# KiCad board keyboard_v2.kicad_pcb (continued)
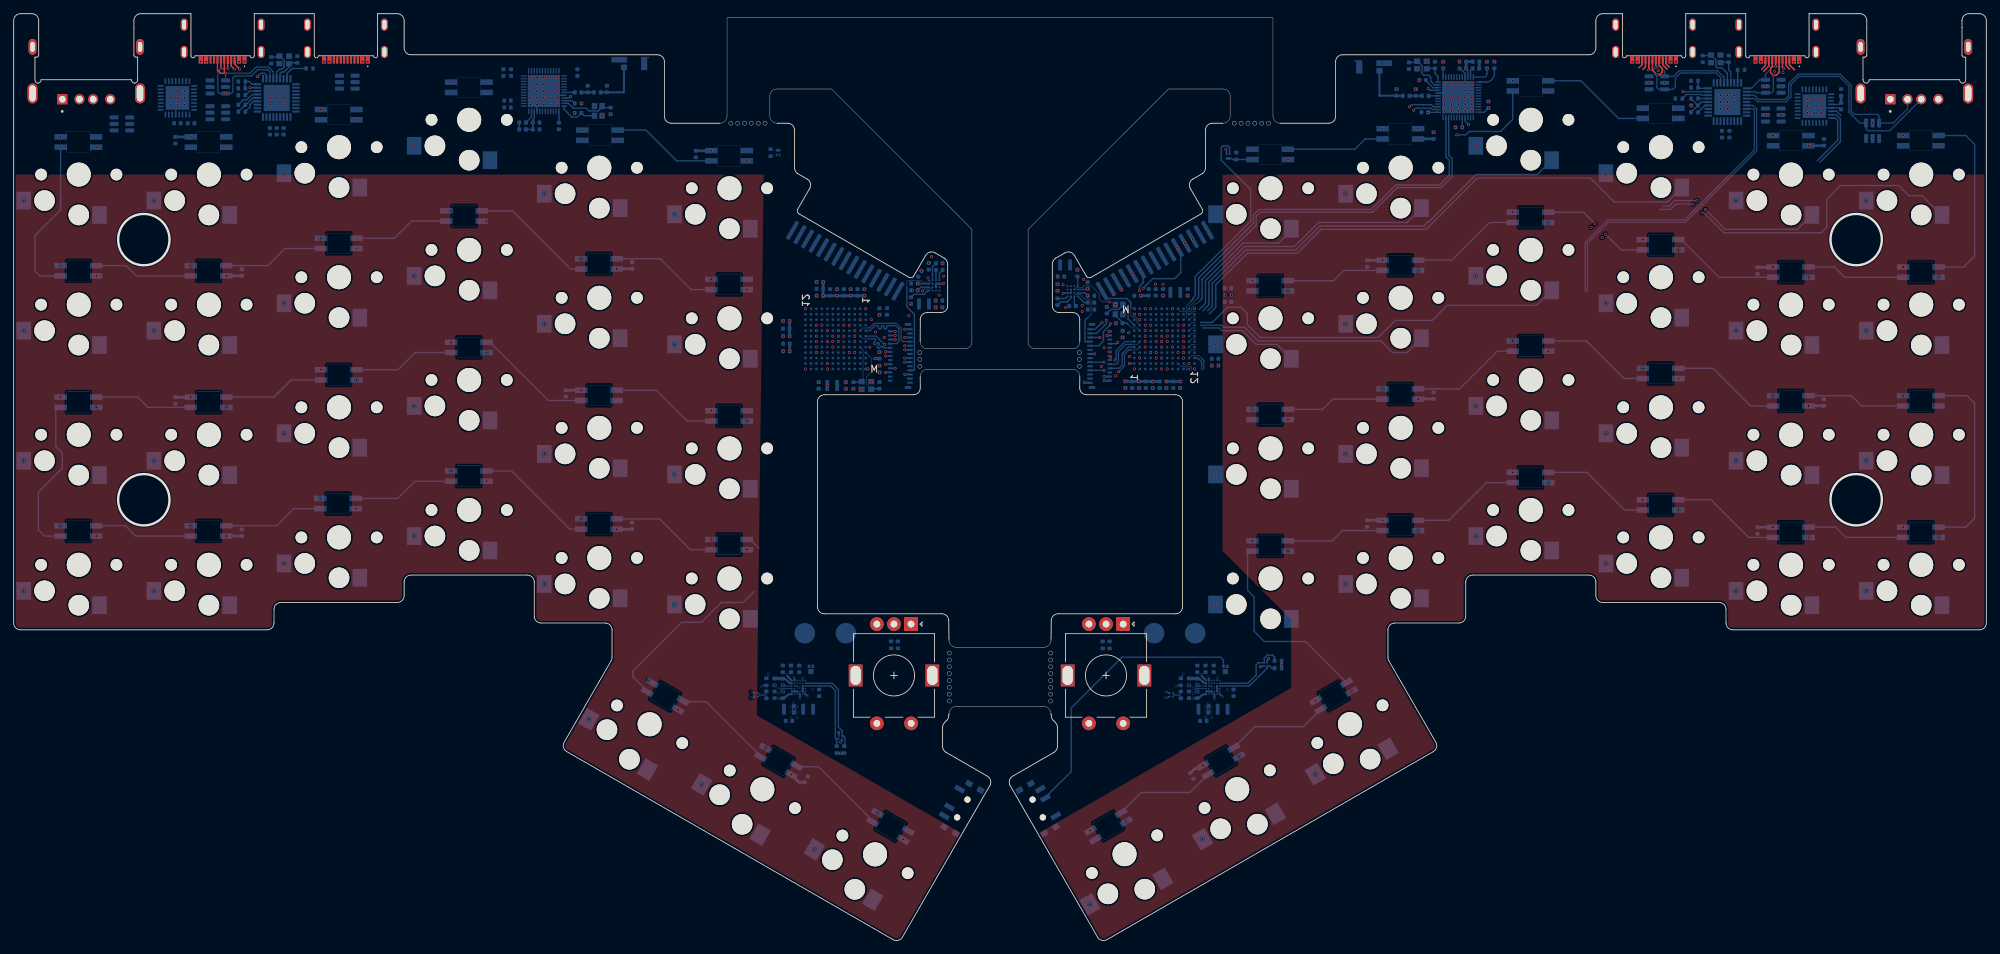
[diagram p0: board, top side]
## Routing (per net, layer and track width the routed paths; a pad name or vN(x,y) marks a point on that pad's centre or on a via; arc(x,y) is an arc through that point) (continued)
  Bottom w0.3: IC1401.E6 113.99,38.35
/Left/USB/CFG_SEL1: length 2
  Bottom w0.2: U1505.25 34.42,124.05 R1506.1
/Left/USB/RBIAS: length 3.9
  Bottom w0.2: R1505.1 40.65,127.35 39.9,126.6 U1505.35
/Left/USB/SCL: length 3.4
  Bottom w0.2: R1502.2 33.49,122.75 34,122.75 34.8,123.55 U1505.24
/Left/USB/SDA: length 2.6
  Bottom w0.2: R1501.2 34.5,121.73 34.5,122.05 35,122.55 U1505.22
/Left/USB/USB0_CC1: length 1.5
  Top w0.2: J1501.A5 31.75,127.7 v1(32.2,127.25)
/Left/USB/USB0_DN: length 18.6
  Top w0.18: v1(30.25,127.3) J1501.A7 ; J1501.B7 31.25,127.4 v1(31.3,127.35)
  Bottom w0.18: U1505.30 37.4,126.85 37.1,127.15 35.6,127.15 34.7,126.25 32.3,126.25 32,125.95 32,123.95 31.75,123.7 v1(30.94,123.7) 30.05,123.7 29.8,123.95 29.8,126.85 v1(30.25,127.3) 30.3,127.35 v1(31.3,127.35)
/Left/USB/USB0_DP: length 14.6
  Top w0.18: J1501.A6 30.75,126.84 v1(30.94,126.65) 30.21,126.65 29.75,127.11 J1501.B6
  Bottom w0.18: U1505.31 37.9,126.85 37.2,127.55 35.4,127.55 34.5,126.65 v1(30.94,126.65) U1501.4
/Left/USB/USB0_RX: length 1.7
  Top w0.2: v1(33,127.25) 32.25,128 J1501.B8
/Left/USB/USB_RST: length 1.1
  Bottom w0.2: U1505.26 v1(34.5,124.55)
/Left/USB/XTAL1: length 4.2
  Bottom w0.2: C1505.1 40.32,128.17 Y1501.3 40.2,127.55 39.5,126.85 39.15,126.85 38.9,126.6 U1505.33
/Left/USB/XTAL2: length 5.6
  Bottom w0.2: C1504.1 38.68,129.03 Y1501.1 38.85,129.15 39.5,128.5 39.5,127.55 39.2,127.25 38.8,127.25 38.4,126.85 U1505.32
/Right/Bluetooth/ANT: length 7.1
  Bottom w0.3: L905.2 201.92,123.35 C906.1 199.4,123.37 ANT301.1
/Right/Bluetooth/DCC1: length 1.4
  Bottom w0.2: U901.47 212.7,127.05 L901.1
/Right/Bluetooth/DCC2: length 1
  Bottom w0.2: 213.97,128.34 L906.1
  Bottom w0.4: L901.2 213.97,128.34
/Right/Bluetooth/DEC1: length 3.8
  Bottom w0.2: U901.1 214.91,125.35 arc(215.81,125.72) 216.19,126.62 C911.1
/Right/Bluetooth/DEC3: length 2.3
  Bottom w0.2: C913.1 206.18,125.57 207.2,124.55 U901.34
/Right/Bluetooth/DEC4_6: length 13.6
  In1.Cu w0.2: v1(212.05,127.35) 212.4,127 212.4,124.85 212.2,124.65 206.7,124.65 v1(206.5,124.45)
  Bottom w0.2: v1(206.5,124.45) 206.8,124.15 U901.33 ; U901.46 212.3,127.1 v1(212.05,127.35)
  Bottom w0.4: L906.2 C914.1 v1(212.05,127.35)
/Right/Bluetooth/RF1: length 1.4
  Bottom w0.2: U901.31 L902.1
/Right/Bluetooth/RF2: length 1.8
  Bottom w0.3: L905.1 204.68,123.35 C905.1 204.72,123.35 L902.2
/Right/Bluetooth/RST: length 73.4
  In1.Cu w0.2: v1(164.9,95.25) 166,94.15 v1(166,92.25) ; v1(169.9,101.19) 172.44,101.19 175.6,104.35 175.6,115.85 176.45,116.7 192.65,116.7 196.2,120.25 211.3,120.25 v1(212.4,119.15)
  Bottom w0.2: 169.9,100.85 170.5,100.25 ; 169.9,100.85 170.4,100.35 170.4,97.55 169.5,96.65 166.3,96.65 v1(164.9,95.25) ; 169.9,100.85 v1(169.9,101.19) ; v1(212.4,119.15) 211.9,119.65 U901.16
/Right/Bluetooth/SWCLK: length 50.8
  In1.Cu w0.2: v1(172.1,102.46) 174.6,104.96 174.6,116.35 176,117.75 192.3,117.75 195.8,121.25 203.3,121.25 v1(203.8,121.75)
  Bottom w0.2: U901.27 207.3,121.75 207,122.05 204.1,122.05 v1(203.8,121.75)
/Right/Bluetooth/SWDIO: length 51.9
  In1.Cu w0.2: v1(204.4,121.25) 203.9,120.75 196,120.75 192.5,117.25 176.2,117.25 175.1,116.15 175.1,104.65 172.27,101.82 v1(171,101.82)
  Bottom w0.2: U901.26 207.1,121.35 206.9,121.55 204.7,121.55 v1(204.4,121.25)
/Right/Bluetooth/UART_RX: length 57.3
  Bottom w0.1: 172.7,93.65 171.6,92.55 U801.M11
  Bottom w0.2: U901.23 209.1,114.45 209.6,113.95 209.6,111.75 208.2,110.35 201.8,110.35 198.2,106.75 181.8,106.75 181,105.95 181,104.75 173,96.75 173,93.95 172.7,93.65
/Right/Bluetooth/UART_TX: length 59.7
  Bottom w0.1: U801.K10 171.2,91.05 171.2,91.65 171.4,91.85 171.8,91.85 172,92.05 172,92.45 172.6,93.05 172.8,93.05 173.1,93.35
  Bottom w0.2: U901.22 209.5,114.7 210,114.2 210,111.55 208.4,109.95 202,109.95 198.4,106.35 182,106.35 181.4,105.75 181.4,104.45 173.5,96.55 173.5,93.75 173.1,93.35
/Right/Bluetooth/XC1: length 6.7
  Bottom w0.2: C903.2 204.73,128.23 Y902.3 204.95,128.4 205.6,127.75 205.6,126.65 205.9,126.35 206.6,126.35 206.9,126.05 206.9,125.48 207.43,124.95 U901.35
/Right/Bluetooth/XC2: length 3.4
  Bottom w0.2: Y902.1 206.37,127.37 C904.2 207.5,126.65 207.95,126.2 U901.36
/Right/Display/C1N: length 2.6
  Bottom w0.2: C403.2 152.86,93.25 153.8,93.25 154.35,93.8 U401.B4
/Right/Display/C1P: length 1.6
  Bottom w0.2: U401.A4 153.54,93.75 C403.1
/Right/Display/DSI_CKN: length 8.2
  In1.Cu w0.18: v1(159.2,84.45) 160.5,84.45 v1(160.8,84.75)
  Bottom w0.18: J401.11 v1(159.2,84.45) ; U801.F1 162.27,87.45 160.94,86.12 160.94,84.89
/Right/Display/DSI_CKP: length 6.7
  Bottom w0.1: U801.F2 164,87.05 163.2,87.05
  Bottom w0.18: 163.2,87.05 162.33,87.05 161.29,86.01 161.29,84.44 161,84.15 J401.10
/Right/Display/DSI_D0N: length 5.9
  Bottom w0.18: J401.8 161.37,83.55 161.84,84.02 161.84,85.72 162.77,86.65 U801.E1
/Right/Display/DSI_D0P: length 9.8
  In1.Cu w0.18: v1(161.32,83.04) 161.1,83.25 v1(159.2,83.25)
  Bottom w0.1: 163.2,86.25 164,86.25 U801.E2
  Bottom w0.18: 163.2,86.25 162.83,86.25 162.16,85.58 162.16,83.88 v1(161.32,83.04) ; J401.7 v1(159.2,83.25)
/Right/Display/DSI_TE: length 7.8
  In1.Cu w0.1: v1(161.2,87.35) 163.86,87.35 166.16,85.05 v1(166.8,85.05)
  Bottom w0.2: v1(161.2,87.35) 161,87.15 J401.20
/Right/Display/ELVDD: length 2.5
  Bottom w0.2: U401.D3 156.41,94.56 156.8,94.17 v1(156.8,94.15) C407.1
  Bottom w0.3: J401.2 v1(159.2,81.75)
/Right/Display/ELVSS: length 2.7
  Bottom w0.2: C409.1 156.3,93.15 155.39,94.06 U401.D4
  Bottom w0.3: J401.1 v1(156.3,81.45)
  vias: v1(156,92.75) v1(156,91.85)
/Right/Display/IM0: length 4.3
  In1.Cu w0.2: v1(160.03,85.95) 160.62,85.35 161.8,85.35 v1(162.9,84.25)
  Bottom w0.2: U801.B1 v1(162.9,84.25)
/Right/Display/INT_TP: length 9
  In1.Cu w0.1: v1(164.4,91.45) 163.8,90.85 161.7,90.85 161.4,91.15 160.1,91.15 v1(159.5,90.55)
  Bottom w0.2: v1(159.5,90.55) 159.5,90.05 158.1,88.65 J401.25
/Right/Display/RST_DISP: length 9.9
  In1.Cu w0.1: v1(164.4,90.65) 164.2,90.45 161.5,90.45 161.3,90.65 160.7,90.65 v1(160.1,90.05)
  Bottom w0.2: J401.19 158.4,86.85 159.1,87.55 159.1,88.9 160.1,89.9 v1(160.1,90.05)
/Right/Display/RST_TP: length 12.3
  In1.Cu w0.1: v1(159.6,88.35) 160,87.95 160,86.85 160.6,86.25 163.84,86.25 167.14,82.95 167.9,82.95 v1(168.4,83.45)
  Bottom w0.2: v1(159.6,88.35) J401.24
/Right/Display/SCL_TP: length 10.8
  In1.Cu w0.1: v1(167.6,83.45) 167,83.45 163.9,86.55 160.8,86.55 160.4,86.95 160.4,88.58 v1(160.03,88.95)
/Right/Display/SDA_TP: length 14.6
  In1.Cu w0.1: v1(167.6,85.05) 167.1,84.55 166.3,84.55 164,86.85 161,86.85 160.75,87.1 160.75,89.1 160.4,89.45 159.7,89.45 v1(158.9,90.25)
  Bottom w0.2: v1(158.9,90.25) 157.9,89.25 J401.27
/Right/Display/SWIRE: length 10
  Bottom w0.1: 156.8,90.95 157.3,91.45 157.3,93.44 157.08,93.65 156.4,93.65 155.74,94.31 155.1,94.31 U401.C3
  Bottom w0.2: J401.21 156.4,87.45 156.4,90.55 156.8,90.95
/Right/Display/VON: length 1.5
  Bottom w0.2: C405.1 154.85,92.88 U401.C4
/Right/Display/VOUT: length 1.4
  Bottom w0.2: C404.1 155.35,96.92 U401.D1
/Right/Keys/KEY_A7: length 20.4
  Bottom w0.2: 173.1,92.15 174,93.05 174,96.35 179.5,101.85 184.7,101.85 186.54,103.69 SW703.2
/Right/Keys/KEY_A8: length 40.1
  Bottom w0.2: 173.6,91.95 174.5,92.85 174.5,96.15 179.7,101.35 187,101.35 190.5,104.85 203.44,104.85 SW708.2
/Right/Keys/KEY_A9: length 61.3
  Bottom w0.2: 174.3,91.95 175,92.65 175,95.95 179.9,100.85 187.2,100.85 190.7,104.35 205.9,104.35 206.5,104.95 206.6,104.95 213.5,111.85 222.44,111.85 SW713.2
/Right/Keys/KEY_A10: length 81.5
  Bottom w0.2: 174.55,91.5 175.5,92.45 175.5,95.75 180.1,100.35 187.4,100.35 190.9,103.85 206.2,103.85 213.7,111.35 230.2,111.35 233.7,107.85 241.44,107.85 SW717.2
/Right/Keys/KEY_A11: length 24.7
  In1.Cu w0.2: v1(247,106.75) v1(245.7,108.05)
  Bottom w0.2: v1(245.7,108.05) 242.5,108.05 241.7,107.25 240.8,107.25 ; v1(247,106.75) 249.9,103.85 260.44,103.85 SW721.2
/Right/Keys/KEY_A12: length 50.3
  In1.Cu w0.2: v1(246.5,106.25) v1(245.2,107.55)
  Bottom w0.2: 240.3,106.75 241.9,106.75 242.7,107.55 v1(245.2,107.55) ; v1(246.5,106.25) 246.8,106.25 249.7,103.35 263.9,103.35 264.7,104.15 264.7,108.25 266.7,110.25 275.2,110.25 276.7,108.75 278.63,108.75 281.43,105.95 SW725.2
/Right/Keys/KEY_B7: length 14.8
  Bottom w0.2: SW704.2 184.44,87.05 181.4,87.05 179.4,89.05 176.4,89.05 176,89.45 173.6,89.45
/Right/Keys/KEY_B8: length 34.8
  Bottom w0.2: 173.3,89.85 176.3,89.85 176.6,89.55 179.7,89.55 181.7,87.55 199.6,87.55 201.3,85.85 203.44,85.85 SW709.2
/Right/Keys/KEY_B9: length 57.8
  Bottom w0.2: SW714.2 222.34,92.75 209.3,92.75 207.1,90.55 201.7,90.55 199.2,88.05 182,88.05 180.1,89.95 180.1,91.55 179.2,92.45 177.2,92.45 175,90.25 173.3,90.25
/Right/Keys/LED1: length 3.7
  Bottom w0.2: Q701.3 177.85,114.2 178.01,114.04 R701.2 178.51,114.05 D701.4 180.8,114
/Right/Keys/LED2: length 14.4
  Bottom w0.2: D704.4 197.3,117.05 195.8,115.55 D701.2
/Right/Keys/LED3: length 19.3
  In1.Cu w0.2: v1(210.7,117.65) 209.5,117.65 208.6,118.55 v1(205.05,118.55)
  Bottom w0.2: v1(210.7,117.65) 212,117.65 212.5,118.15 217.1,118.15 218.85,119.9 D707.4
/Right/Keys/LED4: length 16.1
  Bottom w0.2: D707.2 228.8,125.55 234.3,120.05 D710.4
/Right/Keys/LED7: length 29.4
  Bottom w0.2: 280.35,117.55 285,117.55 286.3,116.25 286.3,99.95 284.7,98.35 280.35,98.35
/Right/Keys/LED8: length 14.4
  Bottom w0.2: D719.2 267.3,96.85 265.8,98.35 D722.4
/Right/Keys/LED9: length 16.1
  Bottom w0.2: D725.4 243.47,102.35 248.97,96.85 D722.2
/Right/Keys/LED10: length 16.1
  In1.Cu w0.2: v1(230.9,104.65) v1(232.4,103.15)
  Bottom w0.2: D702.4 229.2,106.35 v1(230.9,104.65) ; D725.2 234.7,100.85 v1(232.4,103.15)
/Right/Keys/LED11: length 16.1
  Bottom w0.2: D702.2 215.5,104.85 210,99.35 D705.4
/Right/Keys/LED12: length 14.4
  Bottom w0.2: D705.2 194.2,97.85 192.7,96.35 D708.4
/Right/Keys/LED14: length 14.4
  Bottom w0.2: D714.4 192.6,79.05 191.1,77.55 D711.2
/Right/Keys/LED15: length 16.1
  Bottom w0.2: D717.4 216.6,86.05 211.1,80.55 D714.2
/Right/Keys/LED16: length 16.1
  Bottom w0.2: D720.4 235.1,82.05 229.6,87.55 D717.2
/Right/Keys/LED17: length 16.1
  Bottom w0.2: D723.4 253.6,78.05 248.1,83.55 D720.2
/Right/Keys/LED18: length 14.4
  Bottom w0.2: D723.2 268.3,79.55 269.8,78.05 D726.4
/Right/Keys/LED19: length 28.3
  Bottom w0.2: D703.4 285,60.35 286.3,61.65 286.3,78.45 285.2,79.55 D726.2
/Right/Keys/LED20: length 14.4
  Bottom w0.2: D703.2 267.5,58.85 266,60.35 D706.4
/Right/Keys/LED21: length 16.1
  Bottom w0.2: D706.2 253.3,58.85 247.8,64.35 D709.4
/Right/Keys/LED22: length 16.1
  Bottom w0.2: D712.4 229.7,68.35 235.2,62.85 D709.2
/Right/Keys/LED23: length 16.1
  Bottom w0.2: D712.2 215,66.85 209.5,61.35 D715.4
/Right/Keys/LED24: length 14.4
  Bottom w0.2: D715.2 194,59.85 192.5,58.35 D718.4
/Right/Keys/LED25: length 28.7
  Bottom w0.2: 180.15,56.85 180.15,51.1 181.1,50.15 181.1,45.15 182.6,43.65 188.59,43.65 D721.4
/Right/Keys/LED26: length 15
  Bottom w0.2: D721.2 188.29,31.2 181.19,31.2 D724.4
/Right/Keys/LED27: length 15
  Bottom w0.2: D727.4 164.63,21.6 171.73,21.6 D724.2
/Right/Keys/NEOPIXEL: length 33.2
  Bottom w0.1: U801.M9 170.4,91.85 171,91.85 171.2,92.05 171.2,92.65 171.8,93.25
  Bottom w0.2: 177.52,114.9 177.52,115.83 177.3,116.05 176.55,116.05 176.3,115.8 176.3,113.95 180.6,109.65 180.6,105.05 172.5,96.95 172.5,94.15 172.2,93.85 172.2,93.65 171.8,93.25
/Right/Main MCU/OSC_IN: length 4.7
  Bottom w0.1: 162.8,89.85 163.2,89.45 164,89.45 U801.H2
  Bottom w0.2: Y802.3 160.85,91.3 161.88,90.27 C823.2 162.5,90.15 162.8,89.85
/Right/Main MCU/OSC_OUT: length 6.5
  Bottom w0.2: U801.J1 162.7,90.75 162.7,92.05 161.95,92.8 ; C824.2 160.18,92.15 161.3,92.15 161.95,92.8 ; 161.95,92.8 Y802.1
/Right/Main MCU/PWR_ENCHG: length 1.9
  Bottom w0.12: IC501.F3 174.05,36.8 v1(172.2,36.8)
/Right/Main MCU/PWR_MR: length 0.7
  Bottom w0.15: v1(175.1,36.95) 174.98,37.08 arc(174.89,37.13) 174.79,37.15 IC501.E4
  vias: v1(171.6,37.24)
/Right/Main MCU/RST: length 9.4
  Bottom w0.1: U801.J2 164,90.25 164,90.85 163.8,91.05 163.3,91.05 163.1,91.25 163.1,92.35
  Bottom w0.2: 159.59,93.75 162.5,93.75 163.1,93.15 163.1,92.35 ; 159.59,93.75 159.49,93.65 ; 159.59,93.75 158.9,94.44 158.9,94.84
/Right/Main MCU/SCL: length 9.5
  Bottom w0.2: IC501.A4 180.4,37.15 182.98,39.73 U802.A2 183.4,40.05 183.7,39.75 R802.2
/Right/Main MCU/SDA: length 11.6
  Bottom w0.2: R801.2 184.09,41.36 183.8,41.65 183.02,41.65 182.58,41.21 U802.B1 181.7,40.55 181.4,40.25 181.4,38.75 180.2,37.55 IC501.A5
/Right/Main MCU/SWCLK: length 20.4
  In1.Cu w0.2: v1(161.7,95.05) 162.45,95.05 163.55,96.15 165.4,96.15 166.5,95.05 168.4,95.05 172.4,91.05 172.4,85.05 v1(171.6,84.25)
/Right/Main MCU/SWDIO: length 20.2
  In1.Cu w0.2: v1(170.8,85.05) 171.9,86.15 171.9,90.95 168.18,94.67 166.28,94.67 165.2,95.75 163.7,95.75 162.3,94.35 v1(160.6,94.35)
/Right/Main MCU/USB_RST: length 8.5
  In1.Cu w0.2: v1(165.2,92.25) 165.2,94.35 164.9,94.65 164.6,94.65 v1(164.35,94.9)
  Bottom w0.2: U604.6 266.15,121.1 266.8,120.45 ; v1(164.35,94.9) 164.35,95.5 164.9,96.05 164.9,97.25 164.4,97.75 J301.10
/Right/Main MCU/USB_UART_RX: length 9.2
  Bottom w0.2: U604.7 266.05,120.6 266.7,119.95 266.7,116.65 263.7,113.65
/Right/Main MCU/USB_UART_TX: length 8.3
  Bottom w0.2: U604.8 265.95,120.1 266.3,119.75 266.3,116.85 263.3,113.85
/Right/Main MCU/VREF+: length 3.6
  In1.Cu w0.2: v1(161.9,89.03) 162.22,89.35 164.9,89.35 v1(165.2,89.05)
/Right/Power/BAT_SW: length 41.1
  Bottom w0.2: Q501.1 176.62,40.93 176.2,41.35 161.8,41.35 154.4,33.95 154.4,24.65 150.64,20.89 SW502.2
/Right/Power/ISYS: length 0.6
  Bottom w0.2: v1(168.15,36.25) 168.43,36.25 arc(168.54,36.23) 168.64,36.16 168.7,36.11
/Right/Power/THR: length 1.2
  Bottom w0.15: R502.1 170.48,38.34 arc(170.66,38.61) v1(170.72,38.93) ; IC501.B6 v1(175.7,38.35)
/Right/Power/VSYS_MON: length 2.2
  Bottom w0.09: 169.2,35.6 169.33,35.72 arc(169.35,35.74) 169.38,35.75 170.3,35.75 arc(170.37,35.72) 170.4,35.65 R503.1
  Bottom w0.15: 174.5,38.35 v1(174.4,38.45)
  Bottom w0.3: IC501.E6 174.5,38.35
/Right/USB/CFG_SEL1: length 4.1
  Bottom w0.2: U605.25 246.5,123.45 246.4,123.55 244.22,123.55 R606.1
/Right/USB/RBIAS: length 1.9
  Bottom w0.2: U605.35 251.7,127.14 R605.1
/Right/USB/SCL: length 1.5
  Bottom w0.2: U605.24 R602.2
/Right/USB/SDA: length 1.9
  Bottom w0.2: R601.2 245.91,120.96 246.9,121.95 U605.22
/Right/USB/USB0_CC1: length 1.6
  Top w0.2: J601.A5 240.75,127.9 241.4,127.25
/Right/USB/USB0_CC2: length 1.3
  Top w0.2: 237.3,127.45 237.75,127.9 J601.B5
/Right/USB/USB0_DN: length 19.4
  Top w0.2: J601.A7 239.25,127.1 v1(239.9,126.45) 240.3,126.45 240.7,126.85 240.7,127.35 240.25,127.8 J601.B7
  Bottom w0.18: U605.30 249.2,126.05 248.56,126.69 243.33,126.69 242.6,125.95 242.6,124.65 242.25,124.3 U601.6 240.15,124.3 239.9,124.55 v1(239.9,126.45)
/Right/USB/USB0_DP: length 16.2
  Top w0.2: v1(238.7,127.15) 238.75,127.2 J601.B6 ; v1(239.75,127.55) J601.A6
  Bottom w0.18: U605.31 249.7,126.07 248.75,127.02 243.17,127.02 242.35,126.2 U601.4
  Bottom w0.2: v1(238.7,127.15) 239.35,127.15 v1(239.75,127.55) 240.4,127.55 241.04,126.91 U601.4
/Right/USB/USB0_RX: length 1.2
  Top w0.2: J601.B8 241.25,128 241.7,127.55
/Right/USB/USB0_TX: length 1.6
  Top w0.2: J601.A8 238.25,127.6 237.85,127.2
/Right/USB/USB1_CC1: length 1.6
  Top w0.2: J602.A5 258.75,127.8 259.3,127.25
/Right/USB/USB1_CC2: length 1.6
  Top w0.2: J602.B5 255.75,127.8 255.2,127.25
/Right/USB/USB1_DN: length 9.6
  Top w0.18: J602.B7 258.25,127.5 v1(258.4,127.35) ; v1(257.25,127.65) J602.A7
  Bottom w0.18: U605.1 253.7,124.45 254.95,125.7 U602.6 255.76,126.51 256.9,127.65 v1(257.25,127.65) 258.1,127.65 v1(258.4,127.35)
/Right/USB/USB1_DP: length 11.7
  Top w0.18: J602.B6 256.75,127.65 256.5,127.4 256.5,126.75 v1(256.9,126.35) 257.35,126.35 257.75,126.76 J602.A6
  Bottom w0.18: v1(256.9,126.35) 256.9,124.05 256.65,123.8 U602.4 254.45,123.8 254.3,123.95 U605.2
/Right/USB/USB1_RX: length 1.8
  Top w0.2: 260,127.15 259.25,127.9 J602.B8
/Right/USB/USB1_TX: length 2
  Top w0.2: J602.A8 256.25,127.7 255.5,126.95
/Right/USB/USB2_DN: length 34.4
  Bottom w0.18: J603.2 276.5,121.45 274.44,119.39 U603.3 272.35,120.4 272.1,120.65 268.73,120.65 268.26,121.12 268.26,124.92 266.67,126.52 260.53,126.52 259.13,125.12 259.13,123.32 258.63,122.82 254.77,122.82 254.13,123.45 U605.3
/Right/USB/USB2_DP: length 36.2
  Bottom w0.18: U605.4 254.17,122.95 254.63,122.49 258.77,122.49 259.46,123.18 259.46,124.98 260.67,126.19 266.53,126.19 267.94,124.78 267.94,120.98 269.53,119.39 U603.1 270.45,118.5 270.7,118.25 273.9,118.25 J603.3
/Right/USB/USB3_DN: length 47.7
  Bottom w0.18: U605.6 253.93,121.95 254.46,121.42 254.46,115.28 244.07,104.89 232.87,104.89 229.76,101.78 229.76,94.68 ; U801.C12 172.87,85.05 173.44,84.48 173.44,83.28
/Right/USB/USB3_DP: length 48.4
  Bottom w0.1: 173.4,85.05 173,85.45 172,85.45 U801.C11
  Bottom w0.18: 173.76,83.42 173.76,84.69 173.4,85.05 ; 229.44,94.82 229.44,101.92 232.73,105.22 243.93,105.22 254.13,115.42 254.13,121.28 253.97,121.45 U605.7
/Right/USB/USB_RST: length 3.7
  Bottom w0.2: v1(243.7,123.95) U605.26
/Right/USB/XTAL1: length 4.4
  Bottom w0.2: Y601.3 249.27,128.27 C605.1 250.4,127.15 250.7,126.85 U605.33
/Right/USB/XTAL2: length 6.7
  Bottom w0.2: C604.1 247.73,129.23 Y601.1 247.85,129.3 248.5,128.65 248.5,127.65 248.7,127.45 249.4,127.45 250.2,126.65 U605.32
unconnected-(U801A-PA8-PadD11): length 1.2
  Bottom w0.1: 172.6,86.25 172,86.25 U801.D11
unconnected-(U801A-PC10-PadB10): length 1.9
  Bottom w0.1: U801.B10 170.96,84.25 171.36,83.85 171.8,83.85 172,83.65 172,83.15
unconnected-(U801A-PD2-PadB9): length 1.9
  Bottom w0.1: U801.B9 170.4,83.85 171,83.85 171.2,83.65 171.2,83.15
unconnected-(U801A-PD10-PadL11): length 1.2
  Bottom w0.1: U801.L11 171.8,91.45 172.2,91.85 172.6,91.85
unconnected-(U801A-PD12-PadK11): length 1.2
  Bottom w0.1: 172.6,91.05 172,91.05 U801.K11
unconnected-(U801B-PH11-PadJ11): length 1.2
  Bottom w0.1: 172.6,90.25 172,90.25 U801.J11
unconnected-(U801B-PH12-PadH11): length 1.2
  Bottom w0.1: 172.6,89.45 172,89.45 U801.H11
unconnected-(U801B-PH14-PadG11): length 1.2
  Bottom w0.1: U801.G11 172,88.65 172.6,88.65
unconnected-(U801B-PI0-PadF11): length 1.2
  Bottom w0.1: 172.6,87.85 172,87.85 U801.F11
unconnected-(U801B-PI2-PadE11): length 1.2
  Bottom w0.1: 172.6,87.05 172,87.05 U801.E11

## Copper pours and planes (outline as drawn; the poured copper is in the pictures)
+1V8 on Bottom: 175.1,31.55 173.8,31.55 173.8,34.65 174.7,35.55 174.7,36.15 175.1,36.15
+1V8 on Bottom: 114.59,31.55 113.29,31.55 113.29,34.65 114.19,35.55 114.19,36.15 114.59,36.15
+1V8 on Bottom: 168.9,91.95 168.9,92.45 169.6,93.15 170.4,93.15 171,93.75 171,94.55 171.8,94.55 171.8,93.65 170.8,92.65 169.8,92.65 169.5,92.35 169.5,91.95
+3V3 on Bottom: 175.9,36.55 177,36.55 177.3,36.25 178.48,36.25 178.48,36.95 175.9,36.95
+3V3 on Bottom: 115.39,36.55 116.49,36.55 116.79,36.25 117.97,36.25 117.97,36.95 115.39,36.95
+VBAT on Bottom: 177.3,39.65 174.9,39.65 174.8,39.55 174.8,37.85 175.4,37.85 175.4,38.55 175.6,38.75 177.3,38.75
/Left/Display/AVDD on In1.Cu: 131.7,94.15 131.7,95.15 131.8,95.25 132.2,95.25 132.3,95.15 132.3,93.35 130.4,91.35 130.4,90.75 130.1,90.45 130.1,89.85 130,89.75 129.8,89.75 129.6,89.55 129.6,88.15 129.5,88.05 128.5,88.05 128.4,88.15 128.4,88.45 128.5,88.55 129,88.55 129.2,88.75 129.2,90.45 129.5,90.75 129.5,91.95
/Left/Main MCU/VDD11 on Bottom: 119.2,81.95 119.2,80.05 118.3,80.05 118.3,80.95 118.1,81.15 117.1,81.15 117.1,81.95
/Right/Display/AVDD on In1.Cu: 159.4,82.15 159,82.15 157.9,83.25 157.9,91.55 157.3,92.15 157.3,94.55 157.2,94.65 156.6,94.65 156.6,95.45 157.3,95.45 157.9,94.85 157.9,92.35 158.5,91.75 158.5,83.45 159.4,82.55
/Right/Main MCU/VDD11 on Bottom: 169.15,93.75 169.3,93.9 169.3,95.45 169.2,95.55 168.5,95.55 168.4,95.45 168.4,94.65 168.3,94.55 166.4,94.55 166.3,94.45 166.3,93.85 166.4,93.75
/Right/Main MCU/VDD11 on In1.Cu: 170.3,90.05 170.2,90.15 169.7,90.15 168.8,91.05 168.8,94.45 166.5,94.45 166.4,94.35 166.4,91.05 167.1,90.35 167.1,88.85 167,88.75 165,88.75 164.9,88.65 164.9,88.05 165,87.95 165.6,87.95 165.7,87.85 165.7,85.65 165.8,85.55 166.2,85.55 166.3,85.65 166.3,87.75 166.4,87.85 167.2,87.85 167.3,87.95 167.3,88.45 168.4,89.55 170.2,89.55 170.3,89.65
GND on Bottom: 204,129.35 204,120.35 193,120.35 193,129.35
GND on Bottom, In2.Cu: -8.5,141.85 296.5,141.85 296.5,-3.15 -8.5,-3.15
VBUS on Top: 141.5,13.85 141.5,-3.15 -8.5,-3.15 -8.5,111.85 109.5,111.85 108.5,32.85
VBUS on Top: 296.5,-3.15 296.5,111.85 176.5,111.85 176.5,56.85 186.5,46.85 186.5,36.85 146.5,13.85 146.5,-3.15
(no net) on Bottom: 176.9,36.45 177.6,35.75 177.6,32.75 176.8,32.75 176.8,35.45 175.9,36.15 175.9,36.45
(no net) on Bottom: 174.6,35.65 173.6,34.65 173.6,32.75 172.3,32.75 172.3,34.75 172.5,34.95 173.1,34.95 173.8,35.65 174.2,35.65 174.3,35.75 174.3,36.15 174.6,36.15
(no net) on Bottom: 115.39,36.15 114.89,36.15 114.89,32.75 115.69,32.75 115.69,35.85
(no net) on Bottom: 116.39,36.45 117.09,35.75 117.09,32.75 116.29,32.75 116.29,35.45 115.39,36.15 115.39,36.45
(no net) on Bottom: 175.9,36.15 175.4,36.15 175.4,32.75 176.2,32.75 176.2,35.85
(no net) on Bottom: 114.09,35.65 113.09,34.65 113.09,32.75 111.79,32.75 111.79,34.75 111.99,34.95 112.59,34.95 113.29,35.65 113.69,35.65 113.79,35.75 113.79,36.15 114.09,36.15
+VSYS on Bottom: 111.29,35.85 111.39,35.75 112.89,35.75 113.29,36.15 113.69,36.15 113.69,36.65 110.79,36.65 110.79,36.15 111.29,36.15
+VSYS on Bottom: 171.8,35.85 171.9,35.75 173.4,35.75 173.8,36.15 174.2,36.15 174.2,36.65 171.3,36.65 171.3,36.15 171.8,36.15
+VSYS on Bottom: 135,95.55 135,94.45 134.2,93.65 134.2,92.05 135,92.05 135,93.75 135.4,94.15 135.4,95.55
+VSYS on Bottom: 152.8,97.35 152.8,96.75 153.8,95.75 154,95.75 154,94.85 153.7,94.85 153,95.45 152,95.45 152,97.35
+VSYS on In1.Cu: 156.3,93.35 156.2,93.25 155.6,93.25 155.5,93.15 155.5,91.75 151.6,91.75 151.6,100.65 156.8,100.65 156.8,95.65 156.5,95.65 156.4,95.55 156.4,94.65 156.3,94.55
/Left/Display/ELVDD on In1.Cu: 132.3,96.15 132.2,96.25 131.7,96.25 131.2,95.75 130.5,95.75 130,95.25 130,94.65 128.4,93.05 128.4,88.85 128.5,88.75 128.9,88.75 129,88.85 129,90.55 129.3,90.85 129.3,92.05 131.5,94.25 131.5,95.25 131.9,95.65 132.2,95.65 132.3,95.75
/Left/Display/ELVSS on Bottom: 133.9,96.25 133.9,98.25 133.3,98.25 132.8,97.35 132.51,97.16 132,97.45 131.6,96.75 132.4,96.25
/Left/Display/ELVSS on In1.Cu: 133.2,96.95 133.3,97.05 134.2,97.05 134.3,96.95 134.3,88.95 129.9,88.95 129.8,89.05 129.8,89.46 129.9,89.55 130.2,89.55 130.3,89.65 130.3,90.35 133.2,93.25
/Left/Display/LX1 on Bottom: 134.8,95.05 134.8,94.55 134,93.75 134,92.05 133.2,92.05 133.2,93.65 133.4,93.85 133.6,93.85 134.5,94.85 134.5,95.05
/Left/Display/LX2 on Bottom: 134.3,95.05 134.3,94.85 133.55,94 133.35,94 132.9,93.55 132.9,92.05 131.8,92.05 131.8,93.95 132,94.15 132.6,94.15 133.2,94.65 133.8,94.65 134,94.85 134,95.05
/Left/Main MCU/VLXSMPS on Bottom: 119.9,83.75 119.9,83.25 120.7,82.45 120.7,80.05 119.7,80.05 119.7,81.75 119.3,82.15 119.3,83.75
/Right/Display/ELVDD on In1.Cu: 156.5,94.45 156.5,91.75 157.1,91.15 157.1,83.05 158.6,81.55 159.4,81.55 159.4,81.95 158.9,81.95 157.7,83.15 157.7,91.35 157.1,91.95 157.1,94.45
/Right/Display/ELVSS on Bottom: 156.9,91.35 157.1,91.55 157.1,93.45 156.4,93.45 155.7,94.15 155.2,94.15 155.2,91.35
/Right/Display/ELVSS on In1.Cu: 155.7,79.65 156.9,79.65 156.9,91.05 156.3,91.65 156.3,93.05 155.7,93.05
/Right/Display/LX1 on Bottom: 154.5,95.35 154.5,96.1 154.25,96.35 154.25,97.5 154.1,97.65 153.9,97.65 153.6,97.95 153.6,99.55 152.4,99.55 152.4,97.75 152.7,97.45 153.6,97.45 153.8,97.25 153.8,96.15 154.2,95.75 154.2,95.35
/Right/Display/LX2 on Bottom: 154.8,99.55 154.8,96.65 155,96.45 155,95.35 154.7,95.35 154.7,96.15 154.4,96.45 154.4,97.65 154.25,97.8 153.95,97.8 153.8,97.95 153.8,99.55
/Right/Main MCU/VLXSMPS on Bottom: 170.6,95.55 170.7,95.45 170.7,93.75 170.3,93.35 169.45,93.35 168.7,92.6 168.7,91.95 168.1,91.95 168.1,93.45 168.25,93.6 169.25,93.6 169.9,94.25 169.9,95.45 170,95.55
/Right/Power/VSYS_MON on Bottom: 174.65,37.8 174.65,39.25 173.75,39.25 173.75,38.7 174.35,38.1 174.35,37.8
/Right/Power/VSYS_MON on Bottom: 114.14,37.8 114.14,39.45 113.24,39.45 113.24,38.7 113.84,38.1 113.84,37.8

Small or netless copper shapes (teardrops, artwork), in the pictures only: 30 on Bottom
